# Altium PCB H-00488.PcbDoc (part 6 of 9) (continued)
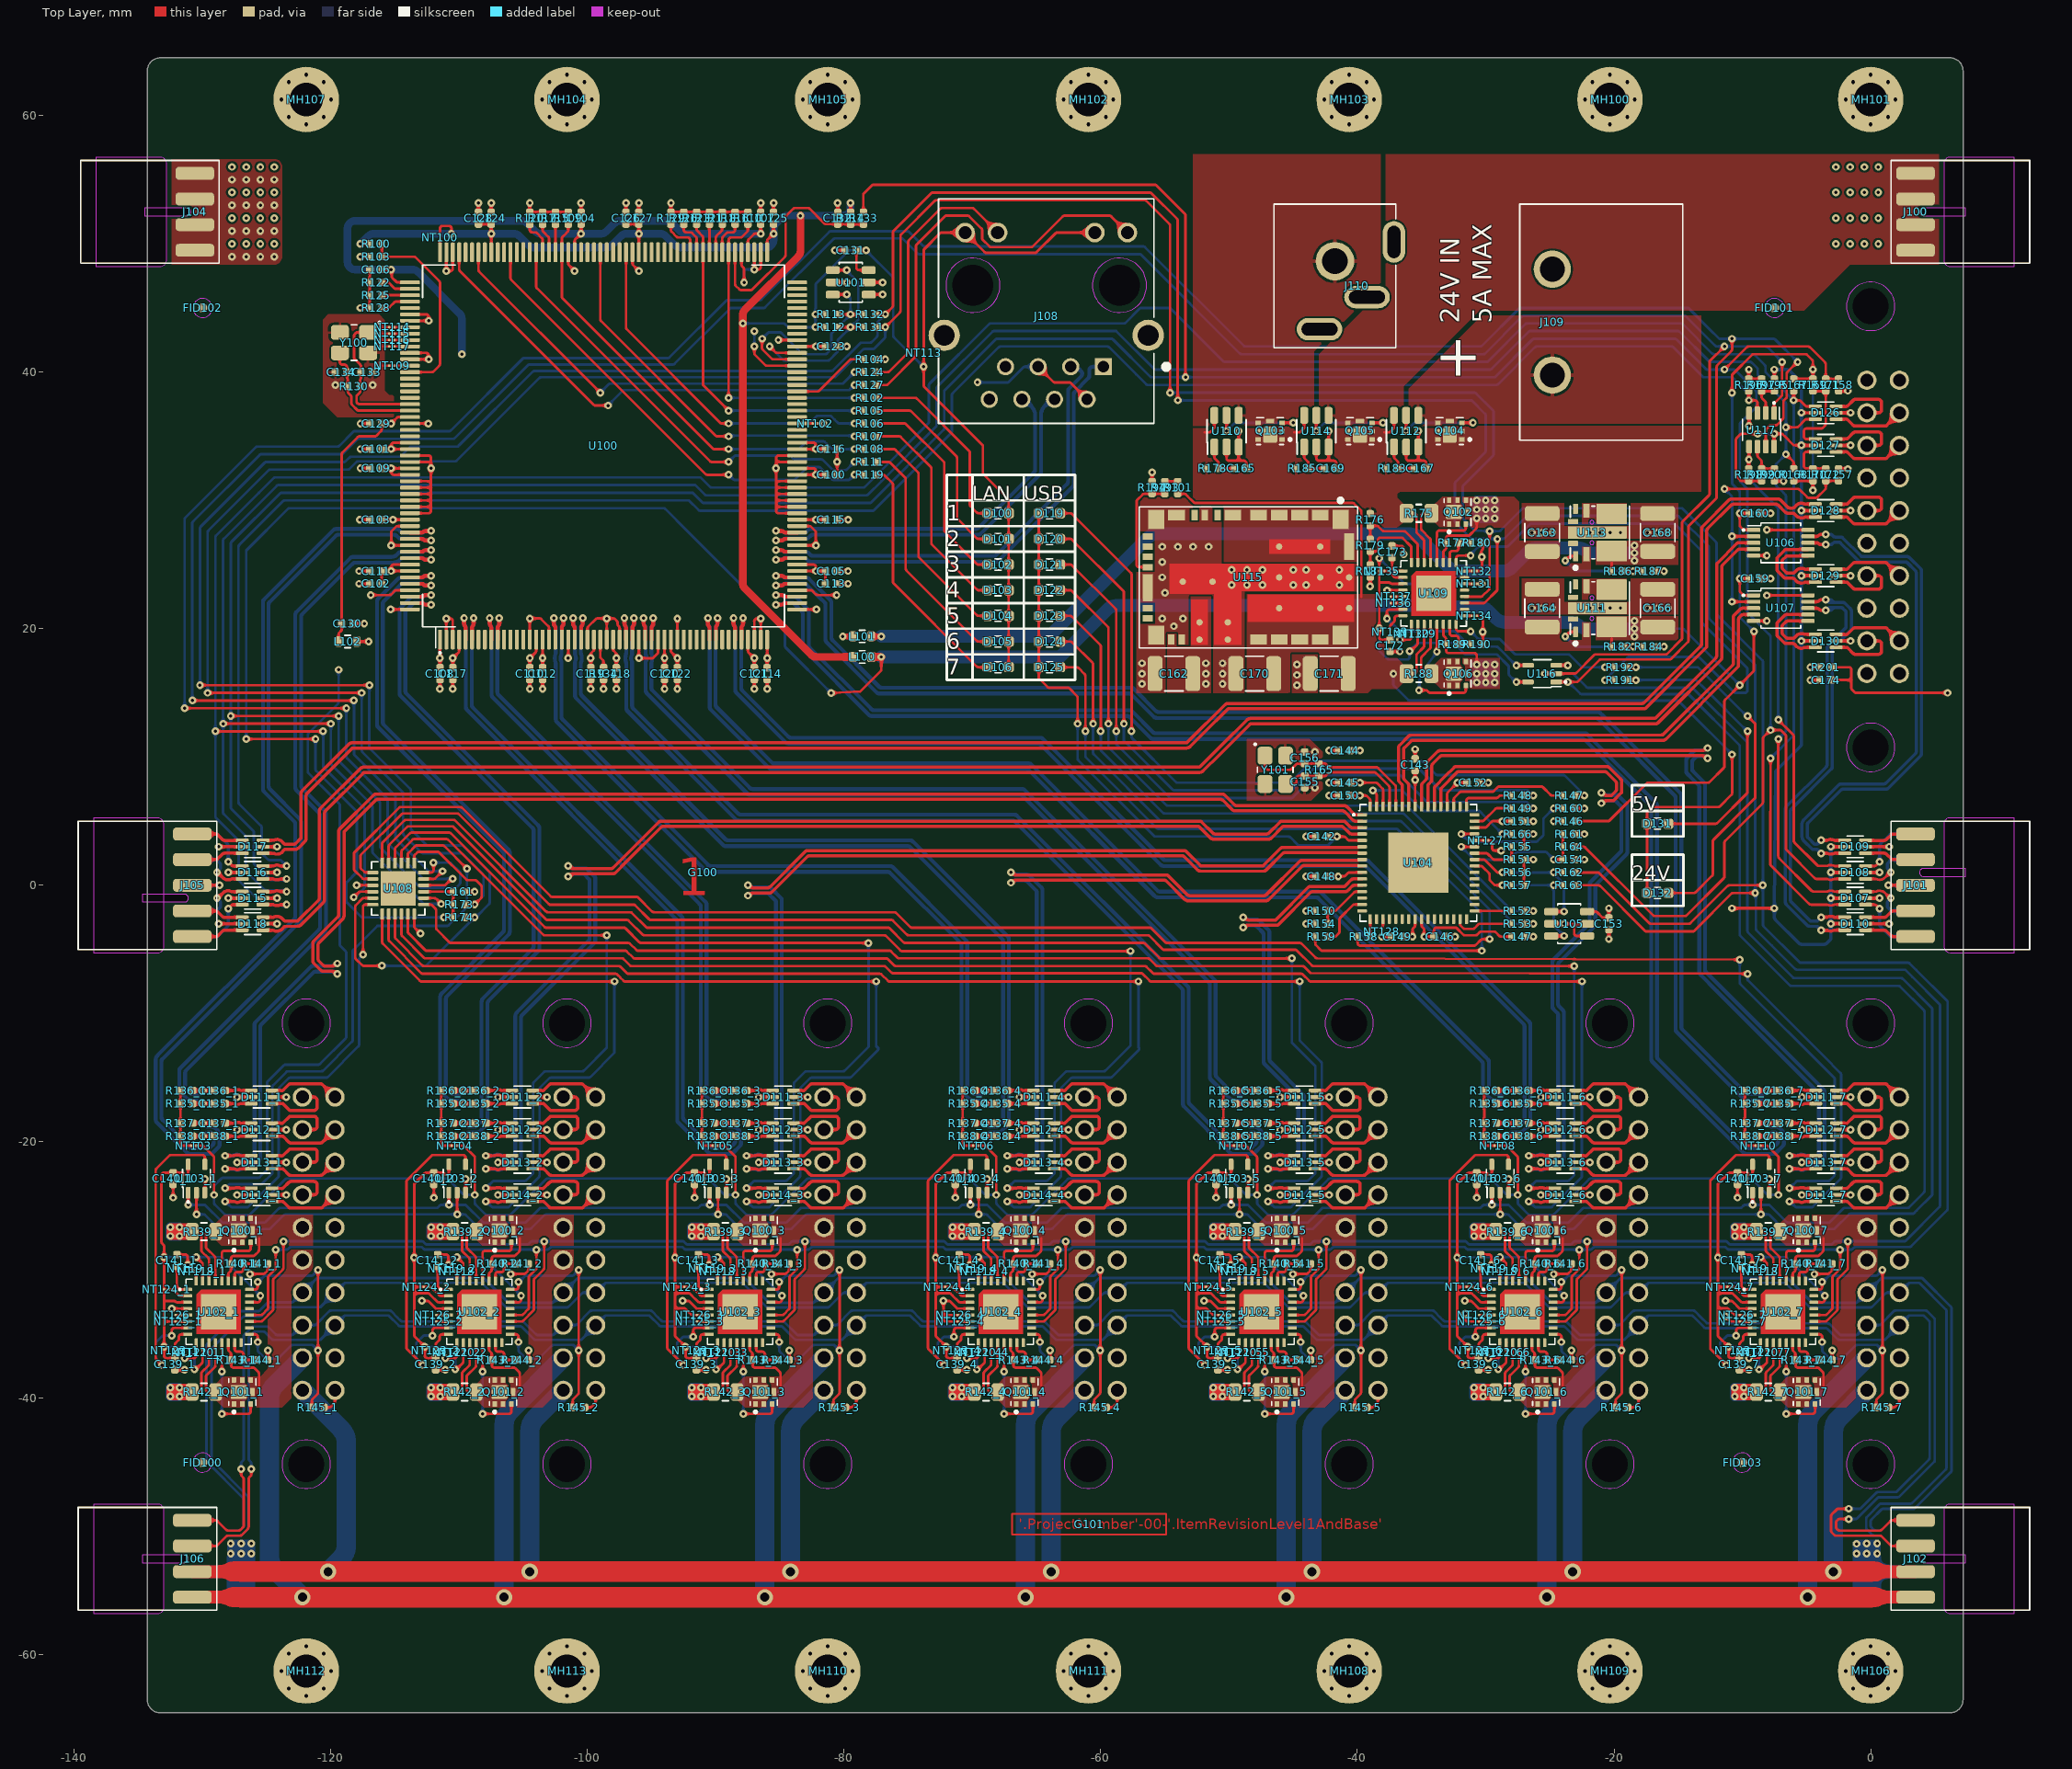
[diagram p0: Top Layer view]
## Nets (pads, with @x,y where several pads share a name; then routed paths per layer and width w, separated by ;. In a path a pad name is that pad's centre, name@x,y a point inside that pad or via, vN(x,y) a via of type N, cw(c..) or ccw(c..) an arc to the next point about the centre after c; other vN are vias at no path point) (continued)
LAN_ACT_R6: D105.C R111.1 | length 18.6
  Top Layer w0.2: R111.1@-77.5,33 -76.554,33 cw(c-76.554,32.8) -76.412,32.941 cw(c-76.553,32.799) -76.41,32.939 -75.261,31.79 cw(c-75.402,31.648) -75.259,31.788 cw(c-75.4,31.646) -75.2,31.647 ; -75.2,31.646 -75.2,24.683 ccw(c-75,24.683) -75.141,24.541 -69.659,19.059 ccw(c-69.517,19.2) -69.517,19 D105.C@-68.825,19
LAN_ACT_R7: D106.C R119.1 | length 19.4
  Top Layer w0.2: R119.1@-77.52,32 -76.968,32 ; -76.968,32 cw(c-76.968,31.8) -76.826,31.941 -76.261,31.376 cw(c-76.402,31.234) -76.259,31.373 cw(c-76.4,31.232) -76.2,31.233 ; -76.2,31.232 -76.2,23.683 ccw(c-76,23.683) -76.141,23.541 -69.659,17.059 ccw(c-69.517,17.2) -69.517,17 D106.C@-68.825,17
LAN_AUTOMDIX: R104.2 U100.87 | length 6.2
  Top Layer w0.2: U100.87@-83.66,38.5 -82.083,38.5 ccw(c-82.083,38.7) -81.942,38.558 -79.558,40.942 cw(c-79.417,40.8) -79.418,41 ; -79.417,41 R104.2@-78.5,41
LAN_BIST: NT101.2 U100.109 | length 2.8
  Top Layer w0.2: U100.109@-88,49.34 -88,48.383 ccw(c-87.8,48.383) -87.941,48.241 -87.859,48.159 cw(c-88,48.017) -87.8,48.018 v1(-87.8,47)
  Bottom Layer w0.2: v1(-87.8,47) NT101.2@-87.8,47.4
LAN_CFGMODE: R100.2 R103.2 U100.171 | length 15.4
  Top Layer w0.2: R100.2@-116.02,50 R103.2@-116.02,49 -113.527,49 cw(c-113.527,48.8) -113.385,48.941 -111.559,47.114 cw(c-111.7,46.973) -111.5,46.974 ; U100.171@-113.84,40 -112.139,40 ccw(c-112.139,40.2) -111.997,40.059 -111.559,40.498 ccw(c-111.7,40.639) -111.5,40.639 -111.5,46.973
LAN_EN1P: NT111.2 U100.91 | length 4.7
  Top Layer w0.2: v1(-87,42) -87,41.483 ccw(c-86.8,41.483) -86.942,41.342 -86.158,40.558 ccw(c-86.017,40.7) -86.018,40.5 U100.91@-83.66,40.5
  Bottom Layer w0.2: v1(-87,42) NT111.2@-87,42.4
LAN_IO_SWM: NT100.2 U100.156 | length 1
  Top Layer w0.2: U100.156@-111.5,49.34 NT100.2@-111.5,50.3
LAN_ISET: R134.2 U100.26 | length 2.3
  Top Layer w0.2: U100.26@-99,19.16 -99,17.833 ccw(c-98.8,17.833) -98.941,17.691 -98.809,17.559 cw(c-98.95,17.417) -98.75,17.417 R134.2@-98.75,16.98
LAN_LED1_0: R121.1 U100.114 | length 2.2
  Top Layer w0.2: U100.114@-90.5,49.34 -90.5,50.7 R121.1@-90.5,51.52
LAN_LED1_1: R118.1 U100.113 | length 2.4
  Top Layer w0.2: U100.113@-90,49.34 -90,50.488 cw(c-89.8,50.487) -89.941,50.629 -89.646,50.924 -89.558,51.012 ccw(c-89.7,51.153) -89.5,51.153 R118.1@-89.5,51.52
LAN_LED1_2: R116.1 U100.112 | length 2.8
  Top Layer w0.2: U100.112@-89.5,49.34 -89.5,50.417 cw(c-89.3,50.417) -89.441,50.559 -89.159,50.841 cw(c-89.017,50.7) -89.017,50.9 -88.7,50.9 ccw(c-88.7,51.1) -88.5,51.1 R116.1@-88.5,51.52
LAN_LED1_3: R102.2 R110.1 U100.111 | length 25.3
  Top Layer w0.2: v1(-89,38) -89,39.7 ; -89,39.5 U100.111@-89,49.34 -89,50.3 cw(c-88.8,50.3) -88.8,50.5 -88.083,50.5 ccw(c-88.083,50.7) -87.942,50.558 -87.557,50.942 ccw(c-87.7,51.083) -87.5,51.081 R110.1@-87.5,51.52 ; v1(-79.2,38) R102.2@-78.48,38
  Bottom Layer w0.2: v1(-89,38) v1(-79.2,38)
LAN_LED2_0: U100.118
LAN_LED2_1: R129.1 U100.117 | length 3.3
  Top Layer w0.2: R129.1@-93.5,51.52 -93.5,51.081 ccw(c-93.3,51.083) -93.443,50.942 -93.058,50.558 ccw(c-92.917,50.7) -92.917,50.5 -92.2,50.5 cw(c-92.2,50.3) -92,50.3 U100.117@-92,49.34
LAN_LED2_2: R126.1 U100.116 | length 2.8
  Top Layer w0.2: R126.1@-92.5,51.52 -92.5,51.1 ccw(c-92.3,51.1) -92.3,50.9 -91.983,50.9 cw(c-91.983,50.7) -91.841,50.841 -91.559,50.559 cw(c-91.7,50.417) -91.5,50.417 U100.116@-91.5,49.34
LAN_LED2_3: R105.2 R123.1 U100.115 | length 26.1
  Top Layer w0.2: R123.1@-91.5,51.52 -91.5,51.148 ccw(c-91.3,51.149) -91.442,51.009 -91.058,50.624 cw(c-91.2,50.483) -91,50.483 U100.115@-91,49.34 -91,39 v1(-89,37) ; v1(-79.2,37) R105.2@-78.48,37
  Bottom Layer w0.2: v1(-89,37) ccw(c-88.998,37.2) -88.998,37 v1(-79.2,37)
LAN_LED3_0: U100.130
LAN_LED3_1: U100.129
LAN_LED3_2: U100.128
LAN_LED3_3: R106.2 U100.127 | length 28
  Top Layer w0.2: U100.127@-97,49.34 -97,43.483 ccw(c-96.8,43.483) -96.941,43.341 -89.659,36.059 ccw(c-89.517,36.2) -89.517,36 v1(-89,36) ; v1(-79.2,36) R106.2@-78.48,36
  Bottom Layer w0.2: v1(-89,36) -82.806,36 ccw(c-82.806,36.2) -82.664,36.058 -82.181,36.542 cw(c-82.04,36.4) -82.04,36.6 -81.126,36.6 cw(c-81.126,36.4) -80.984,36.541 -80.733,36.29 -80.5,36.058 ccw(c-80.36,36.2) -80.361,36 v1(-79.2,36)
LAN_LED4_0: U100.134
LAN_LED4_1: U100.133
LAN_LED4_2: U100.132
LAN_LED4_3: R107.2 U100.131 | length 29.6
  Top Layer w0.2: U100.131@-99,49.34 -99,44.124 ccw(c-98.8,44.124) -98.941,43.983 -90.017,35.059 ccw(c-89.876,35.2) -89.876,35 v1(-89,35) ; v1(-79.2,35) R107.2@-78.48,35
  Bottom Layer w0.2: v1(-89,35) -88.95,35.05 -79.25,35.05 v1(-79.2,35)
LAN_LED5_0: R120.1 U100.140 | length 2.8
  Top Layer w0.2: R120.1@-104.5,51.52 -104.5,51.1 ccw(c-104.3,51.1) -104.3,50.9 -104.083,50.9 cw(c-104.083,50.7) -103.941,50.841 -103.559,50.459 cw(c-103.7,50.317) -103.5,50.317 U100.140@-103.5,49.34
LAN_LED5_1: R117.1 U100.139 | length 2.4
  Top Layer w0.2: R117.1@-103.5,51.52 -103.5,51.081 ccw(c-103.3,51.083) -103.442,50.942 -103.058,50.558 cw(c-103.2,50.417) -103,50.417 U100.139@-103,49.34
LAN_LED5_2: R115.1 U100.138 | length 2.2
  Top Layer w0.2: U100.138@-102.5,49.34 R115.1@-102.5,51.5
LAN_LED5_3: R108.2 R109.1 U100.137 | length 34.8
  Top Layer w0.2: R109.1@-101.5,51.52 -101.5,51.083 cw(c-101.7,51.083) -101.558,50.942 -101.646,50.854 -101.941,50.559 ccw(c-101.8,50.417) -102,50.418 U100.137@-102,49.34 -102,45.883 ccw(c-101.8,45.883) -101.941,45.741 -90.259,34.059 ccw(c-90.117,34.2) -90.117,34 v1(-89,34) ; v1(-79.2,34) R108.2@-78.48,34
  Bottom Layer w0.2: v1(-89,34) -83.605,34 ccw(c-83.605,34.2) -83.464,34.058 -82.98,34.542 cw(c-82.839,34.4) -82.839,34.6 -81.631,34.6 cw(c-81.631,34.4) -81.491,34.542 -81.395,34.446 -81.006,34.058 ccw(c-80.866,34.2) -80.867,34 v1(-79.2,34)
LAN_LED6_0: U100.144
LAN_LED6_1: U100.143
LAN_LED6_2: U100.142
LAN_LED6_3: R111.2 U100.141 | length 34.8
  Top Layer w0.2: U100.141@-104,49.34 -104,46.683 ccw(c-103.8,46.683) -103.941,46.541 -90.459,33.059 ccw(c-90.317,33.2) -90.317,33 v1(-89,33) ; v1(-79.2,33) R111.2@-78.48,33
  Bottom Layer w0.2: v1(-89,33) -88.559,33.441 cw(c-88.417,33.3) -88.417,33.5 -84.283,33.5 cw(c-84.283,33.3) -84.141,33.441 -83.959,33.259 ccw(c-83.817,33.4) -83.817,33.2 -81.783,33.2 cw(c-81.783,33) -81.642,33.142 -80.92,32.42 ccw(c-80.778,32.56) -80.779,32.36 -79.922,32.36 ccw(c-79.922,32.56) -79.781,32.419 v1(-79.2,33)
LAN_LED7_0: U100.149
LAN_LED7_1: U100.147
LAN_LED7_2: U100.146
LAN_LED7_3: R119.2 U100.145 | length 37
  Top Layer w0.2: U100.145@-106,49.34 -106,47.328 ccw(c-105.8,47.329) -105.942,47.189 -90.812,32.059 ccw(c-90.671,32.2) -90.671,32 v1(-89,32) ; v1(-79.2,32) R119.2@-78.48,32
  Bottom Layer w0.2: v1(-89,32) -88.659,31.659 ccw(c-88.517,31.8) -88.517,31.6 -83.945,31.6 ccw(c-83.945,31.8) -83.803,31.658 -82.92,32.542 cw(c-82.779,32.4) -82.779,32.6 -81.983,32.6 cw(c-81.983,32.4) -81.842,32.542 -81.793,32.493 -80.958,31.658 ccw(c-80.817,31.8) -80.819,31.6 -79.683,31.6 ccw(c-79.683,31.8) -79.541,31.659 v1(-79.2,32)
LAN_LED8_0: R127.2 U100.153 | length 37.9
  Top Layer w0.2: U100.153@-110,49.34 -110,48.025 ccw(c-109.8,48.027) -109.942,47.886 -101.128,39.072 -99.515,37.459 ccw(c-99.373,37.6) -99.373,37.4 v1(-98.4,37.4) ; v1(-79.2,39) R127.2@-78.48,39
  Bottom Layer w0.2: v1(-98.4,37.4) -97.258,38.542 cw(c-97.117,38.4) -97.117,38.6 -79.682,38.6 ccw(c-79.683,38.8) -79.541,38.659 v1(-79.2,39)
LAN_LED8_1: U100.152
LAN_LED8_2: U100.151
LAN_LED8_3: R124.2 U100.150 | length 36
  Top Layer w0.2: U100.150@-108.5,49.34 -108.5,47.981 ccw(c-108.3,47.983) -108.441,47.841 v1(-99,38.4) ; v1(-79.2,40) R124.2@-78.48,40
  Bottom Layer w0.2: v1(-99,38.4) -98.359,39.041 cw(c-98.217,38.9) -98.216,39.1 -80.181,39.1 ccw(c-80.183,39.3) -80.041,39.159 v1(-79.2,40)
LAN_LED9_0: U100.161
LAN_LED9_1: R128.1 U100.160 | length 2.4
  Top Layer w0.2: R128.1@-116.02,45 -115.583,45 ccw(c-115.583,45.2) -115.442,45.059 -115.432,45.068 -115.058,45.442 cw(c-114.918,45.3) -114.918,45.5 U100.160@-113.84,45.5
LAN_LED9_2: R125.1 U100.159 | length 2.2
  Top Layer w0.2: R125.1@-116.02,46 U100.159@-113.84,46
LAN_LED9_3: R122.1 U100.158 | length 2.4
  Top Layer w0.2: R122.1@-116.02,47 -115.595,47 cw(c-115.595,46.8) -115.453,46.941 -115.07,46.557 ccw(c-114.929,46.7) -114.931,46.5 U100.158@-113.84,46.5
LAN_MODESEL0: NT117.2 U100.167 | length 1.2
  Top Layer w0.2: NT117.2@-115.05,42 U100.167@-113.84,42
LAN_MODESEL1: NT116.2 U100.166 | length 1.2
  Top Layer w0.2: NT116.2@-115.05,42.5 U100.166@-113.84,42.5
LAN_MODESEL2: NT115.2 U100.165 | length 1.2
  Top Layer w0.2: NT115.2@-115.05,43 U100.165@-113.84,43
LAN_MODESEL3: NT114.2 U100.164 | length 1.2
  Top Layer w0.2: NT114.2@-115.05,43.5 U100.164@-113.84,43.5
LAN_PRSV: NT109.2 U100.170 | length 1.2
  Top Layer w0.2: NT109.2@-115.05,40.5 U100.170@-113.84,40.5
LAN_RLPBK: NT102.2 U100.82 | length 1.2
  Top Layer w0.2: U100.82@-83.66,36 NT102.2@-82.45,36
LAN_RST: C132.1 R114.2 R133.2 U100.110 | length 17.5
  Top Layer w0.2: U100.110@-88.5,49.34 -88.5,46.868 ccw(c-88.3,46.869) -88.443,46.729 -88.171,46.458 ccw(c-88.031,46.6) -88.032,46.4 -87.283,46.4 ccw(c-87.283,46.6) -87.142,46.458 -84.626,48.974 ccw(c-84.768,49.115) -84.568,49.115 -84.568,52.049 cw(c-84.368,52.049) -84.509,52.191 -83.959,52.741 cw(c-83.817,52.6) -83.817,52.8 -82.833,52.8 cw(c-82.833,52.6) -82.691,52.741 -81.705,51.755 -81.552,51.603 ccw(c-81.412,51.745) -81.413,51.545 C132.1@-80.5,51.545 -80.073,51.545 cw(c-80.073,51.345) -80.035,51.541 -79.942,51.524 ccw(c-79.904,51.72) -79.905,51.52 -78.62,51.52 R133.2@-78.6,51.5
LAN_RX_1_N: C138_1.2 D112_1.6 | length 2.1
  Top Layer w0.25: C138_1.2@-128.242,-19.558 -127.625,-19.558 cw(c-127.626,-19.808) -127.528,-19.578 ccw(c-127.3,-19.05) -127.06,-19.573 cw(c-126.957,-19.8) -126.959,-19.55 D112_1.6@-126.2,-19.55
LAN_RX_1_P: C137_1.2 D112_1.4 | length 2.1
  Top Layer w0.25: C137_1.2@-128.242,-18.542 -127.625,-18.542 ccw(c-127.626,-18.292) -127.528,-18.522 cw(c-127.3,-19.05) -127.06,-18.527 ccw(c-126.957,-18.3) -126.959,-18.55 D112_1.4@-126.2,-18.55
LAN_RX_2_N: C138_2.2 D112_2.6 | length 2.1
  Top Layer w0.25: C138_2.2@-107.922,-19.558 -107.305,-19.558 cw(c-107.306,-19.808) -107.208,-19.578 ccw(c-106.98,-19.05) -106.74,-19.573 cw(c-106.637,-19.8) -106.639,-19.55 D112_2.6@-105.88,-19.55
LAN_RX_2_P: C137_2.2 D112_2.4 | length 2.1
  Top Layer w0.25: C137_2.2@-107.922,-18.542 -107.305,-18.542 ccw(c-107.306,-18.292) -107.208,-18.522 cw(c-106.98,-19.05) -106.74,-18.527 ccw(c-106.637,-18.3) -106.639,-18.55 D112_2.4@-105.88,-18.55
LAN_RX_3_N: C138_3.2 D112_3.6 | length 2.1
  Top Layer w0.25: C138_3.2@-87.602,-19.558 -86.985,-19.558 cw(c-86.986,-19.808) -86.888,-19.578 ccw(c-86.66,-19.05) -86.42,-19.573 cw(c-86.317,-19.8) -86.319,-19.55 D112_3.6@-85.56,-19.55
LAN_RX_3_P: C137_3.2 D112_3.4 | length 2.1
  Top Layer w0.25: C137_3.2@-87.602,-18.542 -86.985,-18.542 ccw(c-86.986,-18.292) -86.888,-18.522 cw(c-86.66,-19.05) -86.42,-18.527 ccw(c-86.317,-18.3) -86.319,-18.55 D112_3.4@-85.56,-18.55
LAN_RX_4_N: C138_4.2 D112_4.6 | length 2.1
  Top Layer w0.25: C138_4.2@-67.282,-19.558 -66.665,-19.558 cw(c-66.666,-19.808) -66.568,-19.578 ccw(c-66.34,-19.05) -66.1,-19.573 cw(c-65.997,-19.8) -65.999,-19.55 D112_4.6@-65.24,-19.55
LAN_RX_4_P: C137_4.2 D112_4.4 | length 2.1
  Top Layer w0.25: C137_4.2@-67.282,-18.542 -66.665,-18.542 ccw(c-66.666,-18.292) -66.568,-18.522 cw(c-66.34,-19.05) -66.1,-18.527 ccw(c-65.997,-18.3) -65.999,-18.55 D112_4.4@-65.24,-18.55
LAN_RX_5_N: C138_5.2 D112_5.6 | length 2.1
  Top Layer w0.25: C138_5.2@-46.962,-19.558 -46.345,-19.558 cw(c-46.346,-19.808) -46.248,-19.578 ccw(c-46.02,-19.05) -45.78,-19.573 cw(c-45.677,-19.8) -45.679,-19.55 D112_5.6@-44.92,-19.55
LAN_RX_5_P: C137_5.2 D112_5.4 | length 2.1
  Top Layer w0.25: C137_5.2@-46.962,-18.542 -46.345,-18.542 ccw(c-46.346,-18.292) -46.248,-18.522 cw(c-46.02,-19.05) -45.78,-18.527 ccw(c-45.677,-18.3) -45.679,-18.55 D112_5.4@-44.92,-18.55
LAN_RX_6_N: C138_6.2 D112_6.6 | length 2.1
  Top Layer w0.25: C138_6.2@-26.642,-19.558 -26.025,-19.558 cw(c-26.026,-19.808) -25.928,-19.578 ccw(c-25.7,-19.05) -25.46,-19.573 cw(c-25.357,-19.8) -25.359,-19.55 D112_6.6@-24.6,-19.55
LAN_RX_6_P: C137_6.2 D112_6.4 | length 2.1
  Top Layer w0.25: C137_6.2@-26.642,-18.542 -26.025,-18.542 ccw(c-26.026,-18.292) -25.928,-18.522 cw(c-25.7,-19.05) -25.46,-18.527 ccw(c-25.357,-18.3) -25.359,-18.55 D112_6.4@-24.6,-18.55
LAN_RX_7_N: C138_7.2 D112_7.6 | length 2.1
  Top Layer w0.25: C138_7.2@-6.322,-19.558 -5.705,-19.558 cw(c-5.706,-19.808) -5.608,-19.578 ccw(c-5.38,-19.05) -5.14,-19.573 cw(c-5.037,-19.8) -5.039,-19.55 D112_7.6@-4.28,-19.55
LAN_RX_7_P: C137_7.2 D112_7.4 | length 2.1
  Top Layer w0.25: C137_7.2@-6.322,-18.542 -5.705,-18.542 ccw(c-5.706,-18.292) -5.608,-18.522 cw(c-5.38,-19.05) -5.14,-18.527 ccw(c-5.037,-18.3) -5.039,-18.55 D112_7.4@-4.28,-18.55
LAN_RX_EXT_1_N: D112_1.1 J103_1.A2 | length 5.5
  Top Layer w0.25: D112_1.1@-124.59,-19.55 -123.835,-19.55 cw(c-123.835,-19.75) -123.693,-19.609 -123.292,-20.01 ccw(c-123.115,-19.833) -123.115,-20.083 -120.817,-20.083 ccw(c-120.817,-19.833) -120.64,-20.01 J103_1.A2@-119.68,-19.05
LAN_RX_EXT_1_P: D112_1.3 J103_1.B2 | length 5.7
  Top Layer w0.25: D112_1.3@-124.59,-18.55 -123.835,-18.55 ccw(c-123.835,-18.35) -123.693,-18.491 -123.283,-18.081 cw(c-123.106,-18.258) -123.106,-18.008 -121.321,-18.008 cw(c-121.321,-18.258) -121.071,-18.259 -121.071,-18.799 cw(c-121.321,-18.8) -121.321,-19.05 J103_1.B2@-122.22,-19.05
LAN_RX_EXT_2_N: D112_2.1 J103_2.A2 | length 5.5
  Top Layer w0.25: D112_2.1@-104.27,-19.55 -103.515,-19.55 cw(c-103.515,-19.75) -103.373,-19.609 -102.972,-20.01 ccw(c-102.795,-19.833) -102.795,-20.083 -100.497,-20.083 ccw(c-100.497,-19.833) -100.32,-20.01 J103_2.A2@-99.36,-19.05
LAN_RX_EXT_2_P: D112_2.3 J103_2.B2 | length 5.7
  Top Layer w0.25: D112_2.3@-104.27,-18.55 -103.515,-18.55 ccw(c-103.515,-18.35) -103.373,-18.491 -102.963,-18.081 cw(c-102.786,-18.258) -102.786,-18.008 -101.001,-18.008 cw(c-101.001,-18.258) -100.751,-18.259 -100.751,-18.799 cw(c-101.001,-18.8) -101.001,-19.05 J103_2.B2@-101.9,-19.05
LAN_RX_EXT_3_N: D112_3.1 J103_3.A2 | length 5.5
  Top Layer w0.25: D112_3.1@-83.95,-19.55 -83.195,-19.55 cw(c-83.195,-19.75) -83.053,-19.609 -82.652,-20.01 ccw(c-82.475,-19.833) -82.475,-20.083 -80.177,-20.083 ccw(c-80.177,-19.833) -80,-20.01 J103_3.A2@-79.04,-19.05
LAN_RX_EXT_3_P: D112_3.3 J103_3.B2 | length 5.7
  Top Layer w0.25: D112_3.3@-83.95,-18.55 -83.195,-18.55 ccw(c-83.195,-18.35) -83.053,-18.491 -82.643,-18.081 cw(c-82.466,-18.258) -82.466,-18.008 -80.681,-18.008 cw(c-80.681,-18.258) -80.431,-18.259 -80.431,-18.799 cw(c-80.681,-18.8) -80.681,-19.05 J103_3.B2@-81.58,-19.05
LAN_RX_EXT_4_N: D112_4.1 J103_4.A2 | length 5.5
  Top Layer w0.25: D112_4.1@-63.63,-19.55 -62.875,-19.55 cw(c-62.875,-19.75) -62.733,-19.609 -62.332,-20.01 ccw(c-62.155,-19.833) -62.155,-20.083 -59.857,-20.083 ccw(c-59.857,-19.833) -59.68,-20.01 J103_4.A2@-58.72,-19.05
LAN_RX_EXT_4_P: D112_4.3 J103_4.B2 | length 5.7
  Top Layer w0.25: D112_4.3@-63.63,-18.55 -62.875,-18.55 ccw(c-62.875,-18.35) -62.733,-18.491 -62.323,-18.081 cw(c-62.146,-18.258) -62.146,-18.008 -60.361,-18.008 cw(c-60.361,-18.258) -60.111,-18.259 -60.111,-18.799 cw(c-60.361,-18.8) -60.361,-19.05 J103_4.B2@-61.26,-19.05
LAN_RX_EXT_5_N: D112_5.1 J103_5.A2 | length 5.5
  Top Layer w0.25: D112_5.1@-43.31,-19.55 -42.555,-19.55 cw(c-42.555,-19.75) -42.413,-19.609 -42.012,-20.01 ccw(c-41.835,-19.833) -41.835,-20.083 -39.537,-20.083 ccw(c-39.537,-19.833) -39.36,-20.01 J103_5.A2@-38.4,-19.05
LAN_RX_EXT_5_P: D112_5.3 J103_5.B2 | length 5.7
  Top Layer w0.25: D112_5.3@-43.31,-18.55 -42.555,-18.55 ccw(c-42.555,-18.35) -42.413,-18.491 -42.003,-18.081 cw(c-41.826,-18.258) -41.826,-18.008 -40.041,-18.008 cw(c-40.041,-18.258) -39.791,-18.259 -39.791,-18.799 cw(c-40.041,-18.8) -40.041,-19.05 J103_5.B2@-40.94,-19.05
LAN_RX_EXT_6_N: D112_6.1 J103_6.A2 | length 5.5
  Top Layer w0.25: D112_6.1@-22.99,-19.55 -22.235,-19.55 cw(c-22.235,-19.75) -22.093,-19.609 -21.692,-20.01 ccw(c-21.515,-19.833) -21.515,-20.083 -19.217,-20.083 ccw(c-19.217,-19.833) -19.04,-20.01 J103_6.A2@-18.08,-19.05
LAN_RX_EXT_6_P: D112_6.3 J103_6.B2 | length 5.7
  Top Layer w0.25: D112_6.3@-22.99,-18.55 -22.235,-18.55 ccw(c-22.235,-18.35) -22.093,-18.491 -21.683,-18.081 cw(c-21.506,-18.258) -21.506,-18.008 -19.721,-18.008 cw(c-19.721,-18.258) -19.471,-18.259 -19.471,-18.799 cw(c-19.721,-18.8) -19.721,-19.05 J103_6.B2@-20.62,-19.05
LAN_RX_EXT_7_N: D112_7.1 J103_7.A2 | length 5.5
  Top Layer w0.25: D112_7.1@-2.67,-19.55 -1.915,-19.55 cw(c-1.915,-19.75) -1.773,-19.609 -1.372,-20.01 ccw(c-1.195,-19.833) -1.195,-20.083 1.103,-20.083 ccw(c1.103,-19.833) 1.28,-20.01 J103_7.A2@2.24,-19.05
LAN_RX_EXT_7_P: D112_7.3 J103_7.B2 | length 5.7
  Top Layer w0.25: D112_7.3@-2.67,-18.55 -1.915,-18.55 ccw(c-1.915,-18.35) -1.773,-18.491 -1.363,-18.081 cw(c-1.186,-18.258) -1.186,-18.008 0.599,-18.008 cw(c0.599,-18.258) 0.849,-18.259 0.849,-18.799 cw(c0.599,-18.8) 0.599,-19.05 J103_7.B2@-0.3,-19.05
LAN_SCL: R112.2 R131.1 U100.93 U101.1 | length 18.9
  Top Layer w0.2: v1(-85.8,42) -85.359,41.559 ccw(c-85.217,41.7) -85.217,41.5 U100.93@-83.66,41.5 ; U101.1@-80.887,47.95 v1(-79.8,47.95) ; R112.2@-80.52,43.5 v1(-79.5,43.5) R131.1@-78.48,43.5
  Bottom Layer w0.2: v1(-85.8,42) -84.759,40.959 ccw(c-84.617,41.1) -84.617,40.9 -81.283,40.9 ccw(c-81.283,41.1) -81.141,40.959 -80.559,41.541 ccw(c-80.7,41.683) -80.5,41.683 -80.5,42.417 cw(c-80.3,42.417) -80.441,42.559 -79.502,43.498 v1(-79.5,43.5) -78.959,44.041 ccw(c-79.1,44.183) -78.9,44.183 -78.9,46.916 ccw(c-79.1,46.916) -78.959,47.058 v1@-79.876,47.974
LAN_SDA: R113.2 R132.1 U100.92 U101.3 | length 18.4
  Top Layer w0.2: v1(-86.4,42.6) -86.4,41.883 ccw(c-86.2,41.883) -86.342,41.742 -85.658,41.058 ccw(c-85.517,41.2) -85.518,41 U100.92@-83.66,41 ; U101.3@-80.887,46.05 v1(-79.8,46.05) ; R113.2@-80.52,44.5 v1(-79.5,44.5) R132.1@-78.48,44.5
  Bottom Layer w0.2: v1(-86.4,42.6) -85.959,43.041 cw(c-85.817,42.9) -85.817,43.1 -85.012,43.1 cw(c-85.012,42.9) -84.871,43.042 -83.287,41.458 ccw(c-83.146,41.6) -83.148,41.4 -81.483,41.4 ccw(c-81.483,41.6) -81.341,41.459 -81.059,41.741 ccw(c-81.2,41.883) -81,41.882 ; -81,41.883 -81,42.917 cw(c-80.8,42.917) -80.941,43.059 v1(-79.5,44.5) -79.5,45.733 -79.8,46.033 v1(-79.8,46.05)
LAN_TX_1_N: C136_1.2 D111_1.4 | length 2.1
  Top Layer w0.25: C136_1.2@-128.242,-16.002 -127.625,-16.002 ccw(c-127.626,-15.752) -127.528,-15.982 cw(c-127.3,-16.51) -127.06,-15.987 ccw(c-126.957,-15.76) -126.959,-16.01 D111_1.4@-126.2,-16.01
LAN_TX_1_P: C135_1.2 D111_1.6 | length 2.1
  Top Layer w0.25: C135_1.2@-128.242,-17.018 -127.625,-17.018 cw(c-127.626,-17.268) -127.528,-17.038 ccw(c-127.3,-16.51) -127.06,-17.033 cw(c-126.957,-17.26) -126.959,-17.01 D111_1.6@-126.2,-17.01
LAN_TX_2_N: C136_2.2 D111_2.4 | length 2.1
  Top Layer w0.25: C136_2.2@-107.922,-16.002 -107.305,-16.002 ccw(c-107.306,-15.752) -107.208,-15.982 cw(c-106.98,-16.51) -106.74,-15.987 ccw(c-106.637,-15.76) -106.639,-16.01 D111_2.4@-105.88,-16.01
LAN_TX_2_P: C135_2.2 D111_2.6 | length 2.1
  Top Layer w0.25: C135_2.2@-107.922,-17.018 -107.305,-17.018 cw(c-107.306,-17.268) -107.208,-17.038 ccw(c-106.98,-16.51) -106.74,-17.033 cw(c-106.637,-17.26) -106.639,-17.01 D111_2.6@-105.88,-17.01
LAN_TX_3_N: C136_3.2 D111_3.4 | length 2.1
  Top Layer w0.25: C136_3.2@-87.602,-16.002 -86.985,-16.002 ccw(c-86.986,-15.752) -86.888,-15.982 cw(c-86.66,-16.51) -86.42,-15.987 ccw(c-86.317,-15.76) -86.319,-16.01 D111_3.4@-85.56,-16.01
LAN_TX_3_P: C135_3.2 D111_3.6 | length 2.1
  Top Layer w0.25: C135_3.2@-87.602,-17.018 -86.985,-17.018 cw(c-86.986,-17.268) -86.888,-17.038 ccw(c-86.66,-16.51) -86.42,-17.033 cw(c-86.317,-17.26) -86.319,-17.01 D111_3.6@-85.56,-17.01
LAN_TX_4_N: C136_4.2 D111_4.4 | length 2.1
  Top Layer w0.25: C136_4.2@-67.282,-16.002 -66.665,-16.002 ccw(c-66.666,-15.752) -66.568,-15.982 cw(c-66.34,-16.51) -66.1,-15.987 ccw(c-65.997,-15.76) -65.999,-16.01 D111_4.4@-65.24,-16.01
LAN_TX_4_P: C135_4.2 D111_4.6 | length 2.1
  Top Layer w0.25: C135_4.2@-67.282,-17.018 -66.665,-17.018 cw(c-66.666,-17.268) -66.568,-17.038 ccw(c-66.34,-16.51) -66.1,-17.033 cw(c-65.997,-17.26) -65.999,-17.01 D111_4.6@-65.24,-17.01
LAN_TX_5_N: C136_5.2 D111_5.4 | length 2.1
  Top Layer w0.25: C136_5.2@-46.962,-16.002 -46.345,-16.002 ccw(c-46.346,-15.752) -46.248,-15.982 cw(c-46.02,-16.51) -45.78,-15.987 ccw(c-45.677,-15.76) -45.679,-16.01 D111_5.4@-44.92,-16.01
LAN_TX_5_P: C135_5.2 D111_5.6 | length 2.1
  Top Layer w0.25: C135_5.2@-46.962,-17.018 -46.345,-17.018 cw(c-46.346,-17.268) -46.248,-17.038 ccw(c-46.02,-16.51) -45.78,-17.033 cw(c-45.677,-17.26) -45.679,-17.01 D111_5.6@-44.92,-17.01
LAN_TX_6_N: C136_6.2 D111_6.4 | length 2.1
  Top Layer w0.25: C136_6.2@-26.642,-16.002 -26.025,-16.002 ccw(c-26.026,-15.752) -25.928,-15.982 cw(c-25.7,-16.51) -25.46,-15.987 ccw(c-25.357,-15.76) -25.359,-16.01 D111_6.4@-24.6,-16.01
LAN_TX_6_P: C135_6.2 D111_6.6 | length 2.1
  Top Layer w0.25: C135_6.2@-26.642,-17.018 -26.025,-17.018 cw(c-26.026,-17.268) -25.928,-17.038 ccw(c-25.7,-16.51) -25.46,-17.033 cw(c-25.357,-17.26) -25.359,-17.01 D111_6.6@-24.6,-17.01
LAN_TX_7_N: C136_7.2 D111_7.4 | length 2.1
  Top Layer w0.25: C136_7.2@-6.322,-16.002 -5.705,-16.002 ccw(c-5.706,-15.752) -5.608,-15.982 cw(c-5.38,-16.51) -5.14,-15.987 ccw(c-5.037,-15.76) -5.039,-16.01 D111_7.4@-4.28,-16.01
LAN_TX_7_P: C135_7.2 D111_7.6 | length 2.1
  Top Layer w0.25: C135_7.2@-6.322,-17.018 -5.705,-17.018 cw(c-5.706,-17.268) -5.608,-17.038 ccw(c-5.38,-16.51) -5.14,-17.033 cw(c-5.037,-17.26) -5.039,-17.01 D111_7.6@-4.28,-17.01
LAN_TX_EXT_1_N: D111_1.3 J103_1.A1 | length 5.5
  Top Layer w0.25: D111_1.3@-124.59,-16.01 -123.835,-16.01 ccw(c-123.835,-15.81) -123.693,-15.951 -123.292,-15.55 cw(c-123.115,-15.727) -123.115,-15.477 -120.817,-15.477 cw(c-120.817,-15.727) -120.64,-15.55 J103_1.A1@-119.68,-16.51
LAN_TX_EXT_1_P: D111_1.1 J103_1.B1 | length 5.7
  Top Layer w0.25: D111_1.1@-124.59,-17.01 -123.835,-17.01 cw(c-123.835,-17.21) -123.693,-17.069 -123.283,-17.479 ccw(c-123.106,-17.302) -123.106,-17.552 -121.321,-17.552 ccw(c-121.321,-17.302) -121.071,-17.301 -121.071,-16.761 ccw(c-121.321,-16.76) -121.321,-16.51 J103_1.B1@-122.22,-16.51
LAN_TX_EXT_2_N: D111_2.3 J103_2.A1 | length 5.5
  Top Layer w0.25: D111_2.3@-104.27,-16.01 -103.515,-16.01 ccw(c-103.515,-15.81) -103.373,-15.951 -102.972,-15.55 cw(c-102.795,-15.727) -102.795,-15.477 -100.497,-15.477 cw(c-100.497,-15.727) -100.32,-15.55 J103_2.A1@-99.36,-16.51
LAN_TX_EXT_2_P: D111_2.1 J103_2.B1 | length 5.7
  Top Layer w0.25: D111_2.1@-104.27,-17.01 -103.515,-17.01 cw(c-103.515,-17.21) -103.373,-17.069 -102.963,-17.479 ccw(c-102.786,-17.302) -102.786,-17.552 -101.001,-17.552 ccw(c-101.001,-17.302) -100.751,-17.301 -100.751,-16.761 ccw(c-101.001,-16.76) -101.001,-16.51 J103_2.B1@-101.9,-16.51
LAN_TX_EXT_3_N: D111_3.3 J103_3.A1 | length 5.5
  Top Layer w0.25: D111_3.3@-83.95,-16.01 -83.195,-16.01 ccw(c-83.195,-15.81) -83.053,-15.951 -82.652,-15.55 cw(c-82.475,-15.727) -82.475,-15.477 -80.177,-15.477 cw(c-80.177,-15.727) -80,-15.55 J103_3.A1@-79.04,-16.51
LAN_TX_EXT_3_P: D111_3.1 J103_3.B1 | length 5.7
  Top Layer w0.25: D111_3.1@-83.95,-17.01 -83.195,-17.01 cw(c-83.195,-17.21) -83.053,-17.069 -82.643,-17.479 ccw(c-82.466,-17.302) -82.466,-17.552 -80.681,-17.552 ccw(c-80.681,-17.302) -80.431,-17.301 -80.431,-16.761 ccw(c-80.681,-16.76) -80.681,-16.51 J103_3.B1@-81.58,-16.51
LAN_TX_EXT_4_N: D111_4.3 J103_4.A1 | length 5.5
  Top Layer w0.25: D111_4.3@-63.63,-16.01 -62.875,-16.01 ccw(c-62.875,-15.81) -62.733,-15.951 -62.332,-15.55 cw(c-62.155,-15.727) -62.155,-15.477 -59.857,-15.477 cw(c-59.857,-15.727) -59.68,-15.55 J103_4.A1@-58.72,-16.51
LAN_TX_EXT_4_P: D111_4.1 J103_4.B1 | length 5.7
  Top Layer w0.25: D111_4.1@-63.63,-17.01 -62.875,-17.01 cw(c-62.875,-17.21) -62.733,-17.069 -62.323,-17.479 ccw(c-62.146,-17.302) -62.146,-17.552 -60.361,-17.552 ccw(c-60.361,-17.302) -60.111,-17.301 -60.111,-16.761 ccw(c-60.361,-16.76) -60.361,-16.51 J103_4.B1@-61.26,-16.51
LAN_TX_EXT_5_N: D111_5.3 J103_5.A1 | length 5.5
  Top Layer w0.25: D111_5.3@-43.31,-16.01 -42.555,-16.01 ccw(c-42.555,-15.81) -42.413,-15.951 -42.012,-15.55 cw(c-41.835,-15.727) -41.835,-15.477 -39.537,-15.477 cw(c-39.537,-15.727) -39.36,-15.55 J103_5.A1@-38.4,-16.51
LAN_TX_EXT_5_P: D111_5.1 J103_5.B1 | length 5.7
  Top Layer w0.25: D111_5.1@-43.31,-17.01 -42.555,-17.01 cw(c-42.555,-17.21) -42.413,-17.069 -42.003,-17.479 ccw(c-41.826,-17.302) -41.826,-17.552 -40.041,-17.552 ccw(c-40.041,-17.302) -39.791,-17.301 -39.791,-16.761 ccw(c-40.041,-16.76) -40.041,-16.51 J103_5.B1@-40.94,-16.51
LAN_TX_EXT_6_N: D111_6.3 J103_6.A1 | length 5.5
  Top Layer w0.25: D111_6.3@-22.99,-16.01 -22.235,-16.01 ccw(c-22.235,-15.81) -22.093,-15.951 -21.692,-15.55 cw(c-21.515,-15.727) -21.515,-15.477 -19.217,-15.477 cw(c-19.217,-15.727) -19.04,-15.55 J103_6.A1@-18.08,-16.51
LAN_TX_EXT_6_P: D111_6.1 J103_6.B1 | length 5.7
  Top Layer w0.25: D111_6.1@-22.99,-17.01 -22.235,-17.01 cw(c-22.235,-17.21) -22.093,-17.069 -21.683,-17.479 ccw(c-21.506,-17.302) -21.506,-17.552 -19.721,-17.552 ccw(c-19.721,-17.302) -19.471,-17.301 -19.471,-16.761 ccw(c-19.721,-16.76) -19.721,-16.51 J103_6.B1@-20.62,-16.51
LAN_TX_EXT_7_N: D111_7.3 J103_7.A1 | length 5.5
  Top Layer w0.25: D111_7.3@-2.67,-16.01 -1.915,-16.01 ccw(c-1.915,-15.81) -1.773,-15.951 -1.372,-15.55 cw(c-1.195,-15.727) -1.195,-15.477 1.103,-15.477 cw(c1.103,-15.727) 1.28,-15.55 J103_7.A1@2.24,-16.51
LAN_TX_EXT_7_P: D111_7.1 J103_7.B1 | length 5.7
  Top Layer w0.25: D111_7.1@-2.67,-17.01 -1.915,-17.01 cw(c-1.915,-17.21) -1.773,-17.069 -1.363,-17.479 ccw(c-1.186,-17.302) -1.186,-17.552 0.599,-17.552 ccw(c0.599,-17.302) 0.849,-17.301 0.849,-16.761 ccw(c0.599,-16.76) 0.599,-16.51 J103_7.B1@-0.3,-16.51
LAN_X1: C133.1 R130.1 U100.176 Y100.1 | length 10.9
  Top Layer w0.2: Y100.1@-117.1,43.1 -117.926,43.1 ccw(c-117.926,42.9) -118.068,43.041 -118.141,42.968 ccw(c-118,42.826) -118.2,42.826 -118.2,41.153 ccw(c-118,41.155) -118.142,41.014 -117.713,40.585 cw(c-117.855,40.444) -117.655,40.444 C133.1@-117.655,40 -117.655,39.591 cw(c-117.855,39.592) -117.661,39.543 cw(c-120.137,40.196) -117.71,39.381 ccw(c-117.52,39.318) -117.72,39.319 R130.1@-117.72,38.9 -117.72,38.514 cw(c-117.92,38.514) -117.778,38.374 -117.941,38.21 ccw(c-117.8,38.069) -118,38.069 -118,37.717 ccw(c-117.8,37.718) -117.883,37.536 ccw(c-117.717,37.901) -117.717,37.5 -114.71,37.5 U100.176@-113.84,37.5
LAN_X2: C134.1 R130.2 U100.177 Y100.3 | length 9.2
  Top Layer w0.2: Y100.3@-119.3,41.5 -119.3,41.172 -119.3,40.786 ccw(c-119.1,40.786) -119.1,40.586 -118.945,40.586 cw(c-118.945,40.386) -118.745,40.386 C134.1@-118.745,40 -118.745,39.621 ccw(c-118.545,39.621) -118.728,39.539 -118.713,39.508 -118.697,39.472 cw(c-118.88,39.39) -118.68,39.39 -118.68,39.05 R130.2@-118.68,38.9 -118.68,38.493 ccw(c-118.48,38.493) -118.622,38.352 -118.459,38.188 ; -118.458,38.188 cw(c-118.6,38.047) -118.4,38.047 -118.4,37.583 ccw(c-118.2,37.583) -118.341,37.441 -117.959,37.059 ccw(c-117.817,37.2) -117.817,37 -114.71,37 U100.177@-113.84,37
NetC165_1: C165.1 R178.2 U110.1 | length 3.1
  Top Layer w0.2: U110.1@-51.15,34.17 -51.15,33.391 ccw(c-50.95,33.392) -51.092,33.251 -50.878,33.037 ; -50.878,33.037 cw(c-51.02,32.897) -50.82,32.897 R178.2@-50.82,32.5 C165.1@-49.555,32.5
NetC167_1: C167.1 R183.2 U112.1 | length 3
  Top Layer w0.2: U112.1@-37.15,34.07 -37.15,33.412 ccw(c-36.95,33.412) -37.092,33.271 -36.926,33.106 -36.878,33.058 cw(c-37.02,32.917) -36.82,32.917 R183.2@-36.82,32.5 C167.1@-35.555,32.5